# KiCad board DQBSC.kicad_pcb (continued)
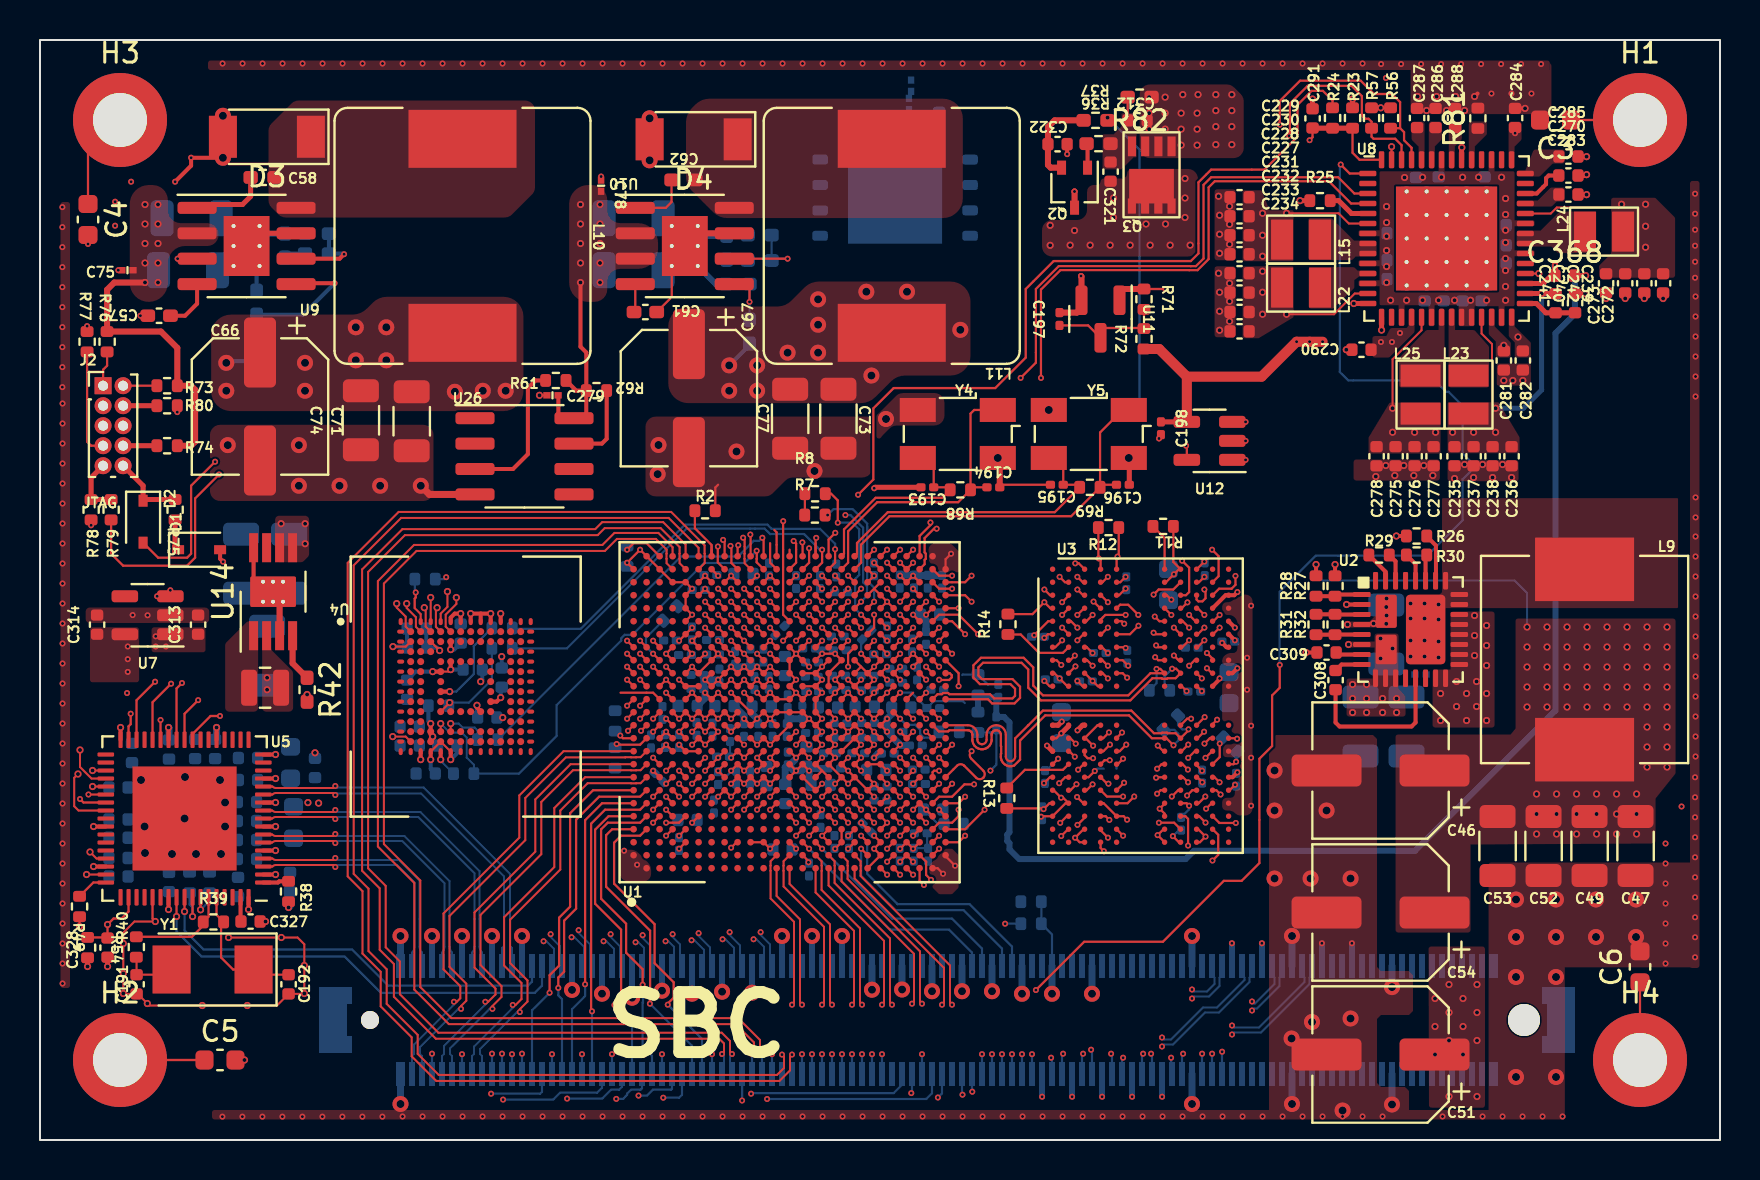
[diagram p0: board, top side]
## Routing (per net, layer and track width the routed paths; a pad name or vN(x,y) marks a point on that pad's centre or on a via; arc(x,y) is an arc through that point) (continued)
SPI1_SSO: length 24.9
  TOP w0.11: U1.D4 v2(31.3,15.21)
  S2 w0.11: v2(31.16,2.11) 31.16,2.14 28.14,5.16 26.85,5.16 23.55,8.46 23.55,11.12 27.2,14.76 30.75,14.76 31.2,15.21 v2(31.3,15.21)
  BOT w0.11: J1.B29 32.1,2.26 31.95,2.11 v2(31.16,2.11)
SPI2_MISO: length 15.8
  TOP w0.11: v2(30.13,7.76) 30.13,8.54 29.3,9.36 29.3,10.81 28.05,12.06 28.05,15.53 28.39,15.86 30,15.86 U1.B5
  BOT w0.11: v2(30.13,7.76) 30.13,7.36 30.15,7.34 30.15,6.89 30.13,6.87 30.13,4.68 30.6,4.21 J1.B26
SPI2_MOSI: length 26.5
  TOP w0.11: U1.E5 31.95,15.86 v2(31.3,15.86)
  S2 w0.11: v2(28.81,2.06) 28.81,2.11 21.95,8.96 21.95,10.91 26.45,15.41 30.65,15.41 31.1,15.86 v2(31.3,15.86)
  BOT w0.11: J1.B25 30.1,2.59 30.02,2.51 29.55,2.51 29.35,2.31 29.35,2.26 29.15,2.06 v2(28.81,2.06)
SPI2_SCLK: length 26.2
  TOP w0.11: U1.C5 v2(30.65,15.86)
  S2 w0.11: v2(26.35,2.07) 24.8,3.62 24.8,4.91 21.65,8.07 21.65,11.41 26.1,15.86 v2(30.65,15.86)
  BOT w0.11: v2(26.35,2.07) 28.11,2.07 28.55,2.51 28.95,2.51 29.1,2.66 J1.B23
SPI2_SSO: length 15.5
  TOP w0.11: v2(28.72,6.75) 29.05,7.08 29.05,10.51 27.75,11.81 27.75,15.51 28.43,16.19 U1.A5
  BOT w0.11: J1.B24 29.6,5.87 v2(28.72,6.75)
UART1_RXD: length 26.7
  TOP w0.11: U1.C7 v2(30.65,17.16)
  S2 w0.11: v2(30.65,17.16) 26.2,17.16 20.15,11.11 20.15,4.71 v2(22.55,2.31)
  BOT w0.11: J1.B15 25.1,2.41 25,2.31 v2(22.55,2.31)
UART1_TXD: length 17.5
  TOP w0.11: v2(25.48,7.36) 25.48,8.24 25.95,8.71 25.95,11.11 26.5,11.66 26.5,16.34 27.65,17.49 U1.A7
  BOT w0.11: J1.B14 24.6,6.49 v2(25.48,7.36)
UART2_RXD: length 15.7
  TOP w0.11: v2(27.6,6.43) 27.55,6.48 27.55,15.81 28.25,16.51 30,16.51 U1.B6
  BOT w0.11: v2(27.6,6.43) J1.B20
UART2_TXD: length 29.8
  TOP w0.11: U1.D6 v2(31.3,17.16)
  S2 w0.11: v2(23.15,2.02) 23.15,2.65 20.4,5.4 20.4,10.76 26.45,16.81 30.9,16.81 31.25,17.16 v2(31.3,17.16)
  BOT w0.11: v2(23.15,2.02) 25.66,2.02 26,2.36 27.85,2.36 28.1,2.61 J1.B21
UART3_RXD: length 15.7
  TOP w0.11: v2(27.25,7.78) 27.25,15.99 28.1,16.84 U1.A6
  BOT w0.11: v2(27.25,7.78) 27.25,7.2 26.6,6.54 J1.B18
UART3_TXD: length 17.3
  TOP w0.11: v2(25.91,7.6) 25.91,8.12 26.2,8.41 26.2,10.96 26.8,11.56 26.8,16.01 27.95,17.16 30,17.16 U1.B7
  BOT w0.11: v2(25.91,7.6) 25.91,7.23 26.1,7.04 J1.B17
UART4_RXD: length 36
  TOP w0.11: U1.C6 v2(30.65,16.51)
  S2 w0.11: v2(35.55,2.31) 35.52,2.34 31.57,2.34 28.3,5.61 26.8,5.61 24.75,7.66 24.75,9.93 28.99,14.17 30.91,14.17 31.66,14.91 31.66,15.34 31.8,15.48 31.8,16.44 31.43,16.81 31.18,16.81 30.89,16.51 v2(30.65,16.51)
  BOT w0.11: J1.B51 43.1,2.76 42.68,2.34 35.58,2.34 v2(35.55,2.31)
UART4_TXD: length 28.7
  TOP w0.11: U1.D7 v2(31.95,17.16)
  S2 w0.11: v2(31.95,17.16) 31.95,17.02 32.3,16.67 32.3,15.67 32.47,15.5 32.47,14.03 30.9,12.46 30.9,8.04 30.2,7.33 30.2,6.69 30.2,6.69 30.2,5.81 33.21,2.81 36.35,2.81 36.82,2.34 v2(43.56,2.34)
  BOT w0.11: v2(43.56,2.34) 43.6,2.38 J1.B52
USB1_DN: length 18.6
  TOP w0.11: U1.B14 v2(30,21.71)
  S1 w0.1: v2(32.93,10.34) 32.79,10.34 27.2,15.93 27.2,21.05 27.57,21.41 29.7,21.41 v2(30,21.71)
  BOT w0.1: v2(32.93,10.34) 32.93,10.2 33.5,9.63 33.5,9.25 33.6,9.15 J1.A32
USB1_DP: length 18.3
  TOP w0.11: U1.A14 v2(29.35,21.71)
  S1 w0.1: v2(29.35,21.71) 27.44,21.71 26.9,21.18 26.9,15.8 32.58,10.13 v2(32.58,9.99)
  BOT w0.1: v2(32.58,9.99) 32.72,9.99 33.2,9.51 33.2,9.25 33.1,9.15 J1.A31
USB1_ID1: length 2.1
  TOP w0.11: U1.C14 30.65,22.36 29.03,22.36
USB1_RX_N: length 16
  TOP w0.11: U1.B12 v2(30.05,20.46)
  S1 w0.1: v2(30.05,20.46) 29.88,20.29 29.88,19.63 28.95,18.71 28.95,17.08 33.87,12.16 34.12,12.16 35.89,10.39 v2(36.03,10.39)
  BOT w0.1: J1.A38 36.6,9.15 36.5,9.25 36.5,9.78 36.03,10.25 v2(36.03,10.39)
USB1_RX_P: length 16
  TOP w0.11: U1.A12 v2(29.4,20.46)
  S1 w0.1: v2(29.4,20.46) 29.58,20.29 29.58,19.76 28.65,18.84 28.65,16.95 33.74,11.86 33.99,11.86 35.68,10.18 v2(35.68,10.04)
  BOT w0.1: J1.A37 36.1,9.15 36.2,9.25 36.2,9.66 35.82,10.04 v2(35.68,10.04)
USB1_SS_SEL: length 0.5
  TOP w0.11: U1.K19 v2(35.2,25.61)
USB1_TX_N: length 17.6
  TOP w0.11: U1.B13 v2(30,21.06)
  S1 w0.1: v2(30,21.06) 29.7,20.76 28.32,20.76 27.85,20.3 27.85,16.88 34.34,10.39 v2(34.48,10.39)
  BOT w0.1: J1.A35 35.1,9.15 35,9.25 35,9.73 34.48,10.25 v2(34.48,10.39)
USB1_TX_P: length 17.3
  TOP w0.11: U1.A13 v2(29.35,21.06)
  S1 w0.1: v2(29.35,21.06) 28.19,21.06 27.55,20.43 27.55,16.75 34.13,10.18 v2(34.13,10.04)
  BOT w0.1: J1.A34 34.6,9.15 34.7,9.25 34.7,9.61 34.27,10.04 v2(34.13,10.04)
USB1_VBUS: length 0.5
  TOP w0.11: U1.D14 v2(31.3,22.36)
USB2_DN: length 23.8
  TOP w0.1: U1.B10 30.03,19.14 29.81,19.14 29.81,19.13 29.55,19.13 29.55,19.14 29.27,19.14 29.26,19.13 26.29,19.13 24.26,17.1 24.26,14.99 20.47,11.2 20.47,8.66 21.31,7.82 21.31,6.96 21.05,6.7 v2(21.05,6.56)
  BOT w0.1: J1.B3 19.1,4.2 19,4.3 19,4.65 20.91,6.56 v2(21.05,6.56)
USB2_DP: length 23.6
  TOP w0.1: U1.A10 26.18,19.44 23.96,17.23 23.96,15.12 20.17,11.33 20.17,8.53 21.01,7.69 21.01,7.09 20.84,6.91 v2(20.7,6.91)
  BOT w0.1: J1.B2 18.6,4.2 18.7,4.3 18.7,4.77 20.7,6.77 v2(20.7,6.91)
USB2_ID1: length 1.5
  TOP w0.11: U1.C9 v2(30.65,19.11)
  BOT w0.11: v2(23.1,4.31) J1.B11
USB2_RX_N: length 20.7
  TOP w0.1: v2(23.99,6.4) 23.99,6.54 24.37,6.92 24.37,7.98 23.5,8.85 23.5,11.01 26.01,13.52 26.01,16.47 27.38,17.84 29.55,17.84 29.55,17.83 29.81,17.83 29.81,17.84 30.03,17.84 U1.B8
  BOT w0.1: J1.B9 22.1,4.2 22,4.3 22,4.55 23.85,6.4 v2(23.99,6.4)
USB2_RX_P: length 20.4
  TOP w0.1: v2(23.64,6.75) 23.78,6.75 24.07,7.05 24.07,7.85 23.2,8.72 23.2,11.14 25.71,13.65 25.71,16.6 27.26,18.14 U1.A8
  BOT w0.1: J1.B8 21.6,4.2 21.7,4.3 21.7,4.67 23.64,6.61 v2(23.64,6.75)
USB2_TX_N: length 22.5
  TOP w0.1: U1.B9 30.03,18.49 29.81,18.49 29.81,18.48 29.55,18.48 29.55,18.49 26.65,18.49 25.06,16.9 25.06,14.29 22.02,11.25 22.02,8.75 23.07,7.7 23.07,7.15 22.62,6.7 v2(22.62,6.56)
  BOT w0.1: v2(22.62,6.56) 22.48,6.56 20.5,4.58 20.5,4.3 20.6,4.2 J1.B6
USB2_TX_P: length 22.3
  TOP w0.1: v2(22.27,6.91) 22.41,6.91 22.77,7.28 22.77,7.57 21.72,8.62 21.72,11.38 24.76,14.42 24.76,17.03 26.53,18.79 U1.A9
  BOT w0.1: v2(22.27,6.91) 22.27,6.77 20.2,4.7 20.2,4.3 20.1,4.2 J1.B5
USB2_VBUS: length 31.1
  TOP w0.11: U1.D9 v2(31.3,18.46)
  S2 w0.11: v2(23.6,4.29) 23.6,2.05 23.28,1.73 22.64,1.73 18.9,5.46 18.9,10.96 25.95,18.01 30.85,18.01 v2(31.3,18.46)
  BOT w0.11: v2(23.6,4.29) J1.B12
Net-(C3-Pad1): length 3.5
  TOP w0.11: C3.1 H1.1
Net-(C4-Pad1): length 4.9
  TOP w0.11: H3.1 2.4,49.4 C4.1
Net-(C5-Pad1): length 4.2
  TOP w0.11: C5.1 H2.1
Net-(C6-Pad1): length 3.9
  TOP w0.11: C6.1 80,7.88 H4.1
Net-(C60-Pad1): length 1.1
  BOT w0.2: C60.1 12.45,44.32 R20.1
Net-(C64-Pad1): length 1.1
  BOT w0.11: C64.1 35.35,44.01 R33.1
Net-(C191-Pad1): length 2.8
  TOP w0.1: 4.82,9.23 4.83,9.21 C191.1 6.32,8.26 Y1.2
Net-(C308-Pad2): length 8
  TOP w0.2: U2.13 68.78,20.87 68.58,20.67 64.98,20.67 64.78,20.87 C308.2
Net-(C312-Pad2): length 1.2
  TOP w0.11: R82.2 54.38,51 C312.2
Net-(D1-K): length 1.6
  TOP w0.25: D1.1 6.75,29.66 R75.1
Net-(D2-K): length 3.8
  TOP w0.25: R75.2 5.21,32.02 D2.1 5.15,32.71 J2.10
Net-(J2-Pin_1): length 1.8
  TOP w0.11: R76.2 3.35,38.71 3.15,38.51 J2.1
Net-(J2-Pin_7): length 5.4
  TOP w0.11: J2.7 2.55,34.71 2.35,34.91 R77.2
Net-(J2-Pin_9): length 2.9
  TOP w0.25: R79.2 R78.2 2.55,33.11 J2.9
Net-(L9-Pad1):
  vias: v4(68.53,26.82) v4(68.53,26.07) v4(68.53,24.97) v4(68.53,24.17) v4(69.23,26.82) v4(69.23,26.07) v4(69.23,24.97) v4(69.23,24.17) v4(69.93,26.77) v4(69.93,26.02) v4(69.93,24.92) v4(69.93,24.12)
Net-(Q2-D): length 1.2
  TOP w0.2: R36.2 52.38,49.77 Q2.1
Net-(Q2-G): length 4.6
  TOP w0.3: R37.2 50.73,50.98 50.4,50.65 C322.1 50.4,48.75 50.53,48.62 Q2.2
Net-(R29-Pad2): length 1.4
  TOP w0.2: U2.30 67.78,28.93 R29.2
Net-(R30-Pad2): length 1.5
  TOP w0.2: U2.28 68.78,28.79 R30.2
Net-(U1A-MIPI_VDD1): length 1.1
  TOP w0.11: U1.F15 U1.E15 v2(31.95,23.01)
Net-(U1B-MTEST1_/_MTEST1(ALERT_n)_/_MTEST1): length 0.5
  TOP w0.11: U1.AC13 v2(44.3,21.06)
Net-(U1B-MTEST_/_MTEST_/_MTEST): length 0.5
  TOP w0.11: U1.AB14 43.65,22.36
Net-(U1B-ZQ_/_ZQ_/_ZQ): length 3
  TOP w0.11: U1.AA13 v2(43,21.06)
  BOT w0.11: R59.2 44.65,20.11 44.19,20.11 44.01,20.29 44.01,20.51 43.75,20.76 43.31,20.76 v2(43,21.06)
Net-(U1H-JTAG_MOD): length 15.7
  TOP w0.11: U1.U7 v2(40.4,17.16)
  S1 w0.11: v2(40.4,17.16) 40.7,16.87 41.9,16.87 42,16.77 42,15.09 41.82,14.91 41.64,14.91 41.35,14.63 41.35,12.01 41.25,11.91 42.15,11.01 48.05,11.01 v2(48.25,10.81)
  BOT w0.11: R70.1 v2(48.25,10.81)
Net-(U1H-TEST_MODE): length 0.5
  TOP w0.11: U1.V7 v2(41.05,17.16)
Net-(U1K-PCIE1_RESREF): length 3.4
  TOP w0.11: R2.1 32.74,30.58 33.58,29.75 U1.G25 ; U1.G25 33.58,29.51 ; U1.G25 33.58,29.67
Net-(U1K-PCIE2_RESREF): length 2
  TOP w0.11: U1.C25 30.33,29.84 29.68,29.84 v2(29.35,29.51)
Net-(U1L-MIPI_DSI_REXT): length 2.6
  TOP w0.11: U1.C17 v2(30.65,24.31)
  BOT w0.11: v2(30.65,24.31) 30.3,24.67 30.3,25.11 R41.1
Net-(U1M-USB1_RESREF): length 0.7
  TOP w0.11: v2(29.01,20.22) 29.14,20.09 U1.A11
Net-(U1M-USB2_RESREF): length 1.6
  TOP w0.11: U1.B11 30,19.76 28.87,19.76 v2(28.83,19.8)
Net-(U2-BST): length 1.4
  TOP w0.2: U2.8 65.08,23.77 C308.1
Net-(U2-FB): length 2.3
  TOP w0.2: R28.1 R27.1 64.84,27.27 U2.1
Net-(U2-FBL): length 2.3
  TOP w0.2: R31.1 R32.1 64.76,25.27 U2.5
Net-(U2-ILIM): length 1.3
  TOP w0.2: R30.1 69.28,29.19 U2.27
Net-(U2-PGOOD): length 2.4
  TOP w0.2: R26.2 69.34,30.18 69.8,29.72 69.8,27.98 U2.26
Net-(U2-SS): length 1.3
  TOP w0.2: U2.7 64.91,24.27 C309.1
Net-(U2-TON): length 1.6
  TOP w0.2: U2.31 67.28,28.41 R29.1
Net-(U2-VDD): length 2.3
  TOP w0.2: U2.3 64.76,26.27 R32.2 R31.2
Net-(U3A-ODT_CA_A): length 3.5
  TOP w0.11: R14.1 49.03,25.28 49.95,24.36 51.15,24.36 U3.G2
Net-(U3A-ODT_CA_B): length 3.6
  TOP w0.11: R13.1 49.25,18.51 51.15,18.51 U3.T2
Net-(U3A-ZQ0): length 2.1
  TOP w0.11: R12.1 53.94,29.23 v2(53.88,29.17) 53.83,29.12 U3.A5
Net-(U3A-ZQ1): length 2.4
  TOP w0.11: R11.1 56.23,30.1 U3.A8
Net-(U4-CLK): length 2.3
  TOP w0.1: U4.M6 v4(20.53,20.82)
  BOT w0.1: R16.1 21.87,20.48 21.73,20.62 21.13,20.62 20.93,20.82 v4(20.53,20.82)
Net-(U4-NRST): length 4.8
  TOP w0.1: U4.K5 v4(20.48,21.87)
  BOT w0.11: R17.1 22.59,23.02 21.44,21.87 v4(20.48,21.87)
Net-(U4-RCLK): length 4.7
  TOP w0.2: U4.H5 v4(20.48,22.42)
  BOT w0.11: v4(20.48,22.42) 20.81,22.42 21.69,23.3 21.69,24.7 R19.2
Net-(U4-VDDI): length 2.7
  TOP w0.1: U4.C2 18.28,24.67 v4(17.65,24.67)
  BOT w0.2: C244.1 18.35,24.65 C243.1 18.33,24.67 v4(17.65,24.67)
Net-(U5-REF_FILT): length 1.2
  TOP w0.2: C327.2 10.03,10.94 U5.67
Net-(U5-REF_REXT): length 1.3
  TOP w0.2: R38.1 11.96,12.93 11.9,12.87 U5.1
Net-(U5-REFCLK_SEL_0): length 1.7
  TOP w0.11: U5.62 v4(8.03,11.51)
  BOT w0.11: v4(8.03,11.51) 8.48,11.96 R47.1
Net-(U5-REFCLK_SEL_1): length 2.2
  TOP w0.11: U5.61 v4(7.63,11.17)
  BOT w0.11: R48.1 7.48,11.77 7.63,11.62 v4(7.63,11.17)
Net-(U8B-VHALF): length 2.7
  TOP w0.25: C273.1 76.75,41.36 C272.2 75.29,41.36 74.82,41.82 U8.29
Net-(U8B-VIN3): length 2.2
  TOP w0.2: U8.40 74.83,47.32 75.3,47.79 75.3,48.09 75.43,48.22 C270.2
Net-(U8C-ICTEST): length 2.1
  TOP w0.25: U8.5 65.58,46.32 64.93,46.97 R25.2
Net-(U9-BOOT): length 3.9
  TOP w0.25: 10.53,48.13 10.53,47.18 10.13,46.78 8.02,46.78 U9.1
Net-(U9-COMP): length 4.3
  TOP w0.2: U9.6 14.98,44.07 v2(15.2,44.29)
  BOT w0.2: v2(15.2,44.29) 15.18,44.32 R20.2 C59.2
Net-(U9-SS): length 2.6
  TOP w0.2: U9.4 7.85,41.81 7.25,41.21 C57.1
Net-(U9-VSNS): length 7.6
  TOP w0.2: U9.5 12.85,42.84 v2(14.73,42.84)
  BOT w0.2: R21.2 R22.1 13.16,41.27 v2(14.73,42.84)
Net-(U10-BOOT): length 3
  TOP w0.11: 29.76,46.61 31.28,46.61 31.58,46.9 C62.2
Net-(U10-COMP): length 4.8
  TOP w0.11: v2(37.38,44.07) U10.6
  BOT w0.11: C63.1 R33.2 36.67,44.07 v2(37.38,44.07)
Net-(U10-SS): length 1.4
  TOP w0.11: 29.76,42.8 29.76,41.46 C61.1
Net-(U10-VSNS): length 3.4
  TOP w0.11: U10.5 R35.1 v2(35.48,41.91)
  BOT w0.11: R34.2 v2(35.48,41.91) R35.1
Net-(U11-VDD): length 5.9
  TOP w0.11: R71.2 R72.2 55.17,40.6 53.02,40.6 U11.3 52.41,40.73 C197.1
Net-(U14-VSET): length 2.4
  TOP w0.3: U14.4 12.63,23.84 R42.1
Net-(U26-~{HOLD}): length 4.1
  TOP w0.2: R62.2 28.33,35.06 28.09,34.82 U26.7
Net-(U26-~{WP}): length 7.3
  TOP w0.2: U26.3 23.65,33.55 24.39,34.29 24.39,37.6 24.78,37.98 R61.1
unconnected-(J1-eDP_AUX+/LVDS_I2C_CK-PadA83): length 2.7
  BOT w0.1: v2(57.6,7.08) 57.7,7.18 58.45,7.18 58.98,7.7 58.98,8.13 59.1,8.25 J1.A83
unconnected-(J1-eDP_TX3-/LVDS_A_CK--PadA82): length 2.3
  BOT w0.1: J1.A82 58.6,8.25 58.73,8.13 58.73,7.8 58.35,7.43 57.7,7.43 v2(57.6,7.53)
unconnected-(J1-GPI3-PadA85): length 6.1
  BOT w0.1: J1.A85 60.1,8.25 60.23,8.13 60.23,8 58.85,6.63 58.15,6.63 56.55,5.03 56.2,5.03 v2(56.1,5.13)
unconnected-(J1-PCIE_CLK_REF+-PadA88): length 2.5
  BOT w0.1: J1.A88 61.6,8.25 61.73,8.13 61.73,7.8 60.75,6.83 60.7,6.83 v2(60.6,6.93)
unconnected-(J1-PCIE_CLK_REF--PadA89): length 2.9
  BOT w0.1: J1.A89 62.1,8.25 61.98,8.13 61.98,7.7 60.85,6.58 60.7,6.58 v2(60.6,6.48)
unconnected-(J1-RSVD-PadA86): length 6.6
  BOT w0.1: v2(56.1,4.68) 56.2,4.78 56.65,4.78 58.25,6.38 58.95,6.38 60.48,7.9 60.48,8.13 60.6,8.25 J1.A86
unconnected-(J1-SPI_MISO_(**)-PadA92): length 5.9
  BOT w0.1: J1.A92 63.6,8.25 63.48,8.13 63.48,7.8 61.05,5.38 59.7,5.38 v2(59.6,5.28)
unconnected-(J1-SPI_POWER-PadA91): length 5.5
  BOT w0.1: J1.A91 63.1,8.25 63.23,8.13 63.23,7.9 60.95,5.63 59.7,5.63 v2(59.6,5.73)

## Copper pours and planes (outline as drawn; the poured copper is in the pictures)
3.3V_SW on TOP: 81.78,18.32 80.78,17.07 80.78,14.82 71.53,14.77 71.53,10.37 67.78,10.37 67.78,20.27 73.53,20.27 73.78,20.57 73.78,26.07 81.78,26.07
3.3V_SW on TOP: 54.98,49.1 60.19,49.1 60.19,52.14 59.55,52.78 54.98,52.78
3.3V_SW on TOP: 70.23,48.44 72.43,48.44 72.43,49.44 72.73,49.44 72.73,48.44 73.73,48.44 73.73,45.99 74.73,45.99 74.73,45.69 73.73,45.69 73.73,44.49 74.73,44.49 74.73,44.19 73.73,44.19 73.73,41.69 73.23,41.69 73.23,40.69 72.93,40.69 72.93,41.69 71.73,41.69 71.73,40.69 70.93,40.69 70.93,41.74 69.73,41.74 69.73,40.69 69.43,40.69 69.43,41.74 68.23,41.74 68.23,40.69 67.93,40.69 67.93,41.74 66.98,41.74 66.98,42.69 65.93,42.69 65.93,42.99 66.98,42.99 66.98,43.69 65.93,43.69 65.93,43.99 66.98,43.99 66.98,45.19 65.93,45.19 65.93,45.49 66.98,45.49 66.98,48.44 69.93,48.44 69.93,49.44 70.23,49.44
3.3V_SW on BOT: 73.33,47.84 68.03,47.84 68.03,48.59 73.33,48.59
3.3V_SW on BOT: 73.68,43.34 72.98,43.34 72.98,47.42 73.68,47.42
3.3V_SW on BOT: 67.68,42.29 72.98,42.29 72.98,42.84 73.53,42.84 73.53,41.44 66.83,41.44 66.83,47.64 67.68,47.64
3.3V_SW on PW1: 76.01,47 81.86,47 81.86,14.17 74.06,14.17 74.06,26.2 63.33,26.2 63.33,30.41 74.89,30.41 74.89,39.52 60.04,39.52 60.04,48.04 51,48.04 51,52.52 76.01,52.52
3.3V_SW_DELAYED on TOP: 8.28,25.64 5.58,25.64 5.58,24.39 8.28,24.39
3.3V_SW_DELAYED on TOP: 50.1,46 52.35,46 52.35,47.75 53.02,47.75 53.02,48.08 54.35,48.08 54.35,48.55 57.9,48.55 57.9,44.18 50.1,44.18
3.3V_SW_DELAYED on TOP: 8.93,44.7 8.93,45.84 6.77,45.84 6.39,46.22 6.39,47.75 4.49,47.75 4.49,41.91 6.39,41.91 6.39,44.19 6.9,44.7
3.3V_SW_DELAYED on TOP: 30.9,43.56 30.9,45.84 28.74,45.84 28.36,46.22 28.36,47.75 26.46,47.75 26.46,41.91 28.36,41.91 28.36,43.18 28.74,43.56
3.3V_SW_DELAYED on TOP: 11.75,28.89 11.75,31.21 13.45,31.21 13.45,29.21 13.13,28.89
3.3V_SW_DELAYED on BOT: 13.95,29.31 8.75,29.31 8.75,31.51 13.55,31.51 13.95,31.11
3.3V_SW_DELAYED on PW1: 20.95,21.21 34.85,21.21 34.85,17.51 35.2,17.16 41.7,17.16 41.7,15.06 40.85,14.21 37.55,14.21 36.55,13.21 26.25,13.21 20.95,18.32
3.3V_SW_DELAYED on PW1: 58.01,41.31 3.44,41.57 3.44,48.39 57.67,48.39 58.18,48
3.3V_SW_DELAYED on PW1: 6.36,47.88 6.36,36.45 17.41,25.4 22.36,25.4 23.89,23.88 23.89,20.07 23.23,19.42 4.69,19.42 4.46,19.18 4.46,9.15 3.44,8.13 1.66,8.13 1.66,47.38 2.17,47.88
/IO/VDD1A on BOT: 10.63,15.23 11.43,15.23 12.05,14.6 12.05,14.13 11.43,14.13 11.43,14.45 11.18,14.7 10.63,14.7
/IO/VDD1A on BOT: 10.6,17.6 14.25,17.6 14.25,18.55 10.6,18.55
/IO/VDD1A on BOT: 9.59,12.7 9.59,11.3 10.9,11.3 10.9,12.7
/IO/VDDMDIO on BOT: 3.73,12.8 3.73,14.44 2.15,14.44 2.15,12.8
GND on TOP: 8.5,35.76 19.68,35.76 19.68,31.95 8.5,31.95
GND on TOP: 45.23,37.35 42.95,37.35 41.77,36.17 30.27,36.17 30.27,32.18 36.48,32.18 37.43,33.13 41.32,33.13 41.98,33.78 41.98,35.08 42.63,35.73 45.23,35.73
GND on TOP: 74.54,37.72 72.84,37.72 72.84,38.82 74.54,38.82
GND on TOP: 58.73,43.69 59.78,43.69 59.78,40.14 58.73,40.14
GND on TOP: 82.92,8.63 76.24,8.63 76.24,0.98 72.43,0.98 72.43,13.87 82.92,13.87
GND on TOP: 75.57,53.84 75.57,51.29 68.53,51.29 68.53,53.84
GND on TOP: 2.28,25.85 8.46,25.85 8.46,26.62 2.28,26.62
GND on TOP: 44.43,28.94 45.03,28.34 46.03,28.34 46.03,29.34 45.53,29.84 44.63,29.84 44.43,29.64
GND on TOP: 30.55,13.71 29.75,14.51 28.95,14.51 28.95,12.91 30.55,12.91
GND on TOP: 66.85,8.45 68.65,8.45 68.65,6.25 66.85,6.25 66.85,2.65 68.45,2.65 68.45,1.1 61.45,1.1 61.45,20.25 66.85,20.25
GND on TOP: 70.38,32.94 70.38,33.99 73.93,33.99 73.93,32.94
GND on TOP: 65.68,32.97 65.68,34.02 69.99,34.02 69.99,32.97
GND on TOP: 67.83,27.12 67.83,25.72 67.73,25.62 65.18,25.62 65.18,25.92 66.48,25.92 66.83,26.27 66.83,27.12 66.93,27.22 67.73,27.22
GND on TOP: 58.73,47.54 59.78,47.54 59.78,43.99 58.73,43.99
GND on TOP: 45.6,14.56 45.28,14.56 44.3,13.59 44.3,12.94 44.95,12.29 45.6,12.29 45.93,12.61 45.93,14.24
GND on TOP: 72.73,20.62 69.63,20.62 69.63,23.52 70.53,23.52 70.53,26.42 72.73,26.42
GND on TOP, BOT, GND1, S1, PW1, S2, GND2, PW2: 1,7.6 1,46.9 1.5,46.9 1.5,7.6
GND on TOP, BOT, GND1, S1, PW1, S2, GND2, PW2: 8.4,54 75.49,54 75.49,53.5 8.4,53.5
GND on TOP, BOT, GND1, S1, PW1, S2, GND2, PW2: 83,8.6 83,47.95 82.5,47.95 82.5,8.6
GND on TOP, BOT, GND1, S1, PW1, S2, GND2, PW2: 8.6,1 8.6,1.5 75.4,1.5 75.4,1
GND on BOT: 72.45,9.96 72.45,7.76 74.45,7.76 74.45,10.71 74.4,10.76 73.25,10.76
GND on BOT: 66.35,1.51 66.35,9.71 69.35,9.71 69.35,1.51
GND on BOT: 46.35,30.31 46.35,12.31 27.75,12.31 27.55,12.51 27.55,22.71 35.15,30.31
GND on BOT: 69.09,19.96 69.6,20.47 69.6,22.65 69.13,23.11 69.13,23.43 72.32,23.43 72.64,23.11 72.64,19.3 68.58,15.24 61.21,15.24 61.21,19.15 62.03,19.96
GND on BOT: 13.75,28.31 13.75,24.91 8.95,24.91 8.95,28.31
GND on BOT: 17.28,22.33 18.35,22.33 18.35,19.25 17.28,19.25
GND on BOT: 10.25,12.97 4.03,12.97 4.08,19.42 10.25,19.42
GND on BOT: 68.22,27.53 66.14,27.53 66.14,25.55 66.24,25.45 67.92,25.45 68.22,25.76
GND on GND1, GND2: 84,0 0,0 0,55 84,55
VBAT on TOP: 76.24,48.82 75.64,48.82 74.99,48.17 73.84,48.17 73.84,48.47 74.27,48.47 74.69,49.52 76.24,49.52
VDD_1V on TOP: 2.5,25.64 2.5,22.89 4.95,22.89 4.95,25.64
VDD_1V on BOT: 10.15,21.31 13.15,21.31 13.15,18.8 10.6,18.8 10.6,19.6 2.35,19.6 2.35,22.76 10.15,22.76
VDD_1V on PW2: 2.3,24.13 2.04,23.88 2.04,20.2 3.44,18.8 12.33,18.8 13.09,19.56 13.09,24.01 12.84,24.26 4.33,24.26 4.2,24.13
VDD_1V8 on TOP: 67.48,36.87 66.43,35.12 66.43,34.32 70.03,34.32 70.03,36.87
VDD_1V8 on BOT: 70.16,33.02 66.91,29.77 63.01,29.77 60.41,27.17 60.41,17.1 60.08,16.77 49.36,16.77 49.03,17.1 49.03,30.95 48.2,31.79 26.75,31.79 26.1,31.14 26.1,17.16 17.98,17.16 16.03,19.11 16.03,32.76 20.51,37.25 70.16,37.25
VDD_ARM_0V9 on TOP: 24.17,42.16 16.93,42.16 16.04,41.27 8.55,41.27 8.55,36.45 24.17,36.45
VDD_ARM_0V9 on PW1: 7.92,40.26 14.14,40.26 15.16,41.27 21.12,41.27 36.87,25.52 36.87,21.59 26.97,21.59 12.49,36.06 8.42,36.06 7.92,36.57
VDD_DRAM_0V9 on TOP: 78.55,44.31 77.95,43.71 77.95,43.11 81.75,43.11 81.75,46.11 80.75,47.11 78.55,47.11
VDD_DRAM_0V9 on BOT: 41.15,23.31 40.35,23.31 40.35,22.51 39.95,22.11 39.95,21.11 40.15,20.91 40.15,19.91 40.55,19.91 40.95,19.51 40.95,18.31 41.55,18.31 41.55,18.71 41.96,19.12 42.3,19.12 42.3,19.52 41.56,19.52 41.55,19.51 41.35,19.71 41.35,21.01 41.04,21.32 41.04,22.03 41.13,22.11 41.15,22.11
VDD_DRAM_0V9 on PW2: 81.86,36.6 76.01,30.75 63.01,30.75 63.01,11.25 38.96,11.25 38.96,28.8 47.73,37.57 73.73,37.57 76.66,40.5 76.66,47.65 81.86,47.65 ; 1 cut-out
VDD_GPU_0V9 on TOP: 62.68,43.94 60.13,43.94 60.13,47.49 61.08,47.49 61.48,46.49 62.68,46.49
VDD_GPU_0V9 on PW2: 63.1,44.18 47.82,44.18 36.45,32.8 36.45,20.45 37.43,20.45 37.43,16.88 33.52,16.88 33.52,38.65 42.95,48.08 62.45,48.08 63.1,47.43
VDD_PHY_0V9 on TOP: 68.73,40.39 67.45,39.12 66.62,39.12 66.62,40.2 67.32,40.2 67.52,40.6 68.33,40.6 68.43,40.72 68.43,41.57 68.73,41.57
VDD_PHY_0V9 on PW2: 64.4,38.74 64.4,48.9 42.17,48.9 33.92,40.64 33.92,15.24 33.31,15.85 41.05,15.85 41.05,12.22 39.63,10.8 26.93,10.8 25.03,12.7 25.03,43.82 33.28,52.07 66.94,52.07 69.48,49.53 69.48,40.01 68.21,38.74
VDD_PHY_1V8 on TOP: 72.74,40.67 73.54,39.87 73.54,39.12 72.79,39.12 72.79,39.92 72.44,40.27 72.44,41.57 72.74,41.57
VDD_PHY_1V8 on PW2: 32.01,22.86 28.2,22.86 28.2,17.78 31.38,14.61 38.58,14.61 39.12,14.41 39.12,12.82 39,12.7 26.93,12.7 26.93,24.77 27.57,25.4 32.01,25.4
VDD_PHY_3V3 on TOP: 76.24,46.92 75.84,46.92 75.59,46.67 73.84,46.67 73.84,46.97 74.89,46.97 75.54,47.62 76.24,47.62
VDD_SNVS_0V9 on TOP: 74.08,50.02 73.73,49.67 73.73,48.57 73.43,48.57 73.43,50.92 74.08,50.92
VDD_SNVS_0V9 on PW2: 39.76,24.64 38.49,24.64 38.49,29.34 39.89,30.74 41.16,30.74 41.16,30.23 39.76,28.83
VDD_SOC_0V9 on TOP: 31.41,41.67 37.27,41.67 38.52,42.92 46.52,42.92 46.52,38.22 42.84,38.22 41.46,36.85 31.41,36.85
VDD_SOC_0V9 on PW1: 48.81,39.87 40.81,31.87 40.81,17.01 34.08,17.01 34.08,32.51 31.67,34.92 31.67,40 34.71,43.05 48.3,43.05 48.81,42.54
VDD_VPU_0V9 on TOP: 62.68,41.14 60.93,40.09 60.13,40.09 60.13,43.69 62.68,43.69
VDD_VPU_0V9 on PW2: 63.1,43.85 63.1,38 62.77,37.68 47.18,37.68 38.73,29.23 38.73,17.2 36.45,17.2 36.45,32.15 48.15,43.85
VDDA_1V8 on TOP: 73.74,40.67 74.54,39.87 74.54,39.12 73.74,39.12 73.74,39.87 73.44,40.17 73.44,41.57 73.74,41.57
VDDA_1V8 on S1: 39.38,28.9 39.38,24.68 38.73,24.68 38.73,23.05 34.82,23.05 34.82,21.43 37.43,21.43 37.43,19.48 42.63,19.48 42.63,21.43 41.98,21.43 41.98,28.9
VIN on TOP: 65.28,24.92 66.73,24.92 66.73,25.32 67.93,25.32 67.93,22.57 68.28,22.17 68.28,21.17 65.33,21.17 65.33,23.07 66.63,23.07 66.63,23.52 66.73,23.62 66.73,24.62 65.28,24.62
VIN on TOP, BOT: 72.25,1.57 69.45,1.57 69.43,9.67 72.25,9.67
VIN on BOT: 69.24,21.18 64.87,21.18 64.87,25.15 64.92,25.2 67.72,25.2 68.21,24.7 68.21,23.79 68.57,23.43 68.93,23.43 68.93,23.02 69.24,22.71
VIN on PW1, PW2: 68.08,23.67 71.63,20.32 71.63,11.97 72.53,11.07 72.53,1.37 63.93,1.37 63.93,25.32 68.08,25.32
(no net) on BOT: 72.45,3.9 72.45,1.61 75.15,1.61 76.45,2.91 76.45,3.91 72.46,3.91
/IO/ENET_2.5V_A on BOT: 11.98,16.1 12.57,15.62 13.83,15.62 13.83,12.97 10.58,12.97 10.58,17.32 11.98,17.32
DRAMREF on BOT: 44,22.66 44.56,22.1 48.02,22.1 48.02,21.29 44.16,21.29 43.5,21.95 42.94,21.95 42.63,22.26 42.63,22.51 42.78,22.66 42.9,22.66 43.29,22.66
NVCC_DRAM_1V1 on TOP: 59.55,26.89 59.23,26.89 59.11,26.76 59.11,26.38 59.23,26.25 59.62,26.25 59.87,26 59.87,24.48 59.74,24.35 59.36,24.35 59.11,24.09 59.11,23.84 59.23,23.71 59.62,23.71 59.87,23.46 59.87,23.08 59.74,22.95 59.23,22.95 59.11,22.82 59.11,20.54 59.23,20.41 59.62,20.41 59.74,20.28 59.74,19.9 59.62,19.78 59.23,19.78 59.11,19.65 59.11,19.27 59.23,19.14 59.62,19.14 59.74,19.01 59.74,17.24 59.62,17.11 59.23,17.11 59.11,16.98 59.11,16.6 59.23,16.47 59.62,16.47 59.87,16.22 60.63,16.22 60.63,27.27 59.93,27.27
NVCC_DRAM_1V1 on TOP: 72.93,36.89 73.98,35.14 73.98,34.34 70.38,34.34 70.38,36.89
NVCC_DRAM_1V1 on PW1: 73.73,38.22 73.73,31.11 62.36,31.11 62.36,11.9 41.23,11.9 41.23,30.75 48.71,38.22
NVCC_ENET_2V5 on TOP: 11.1,25.94 11.1,21.41 12.65,21.41 12.65,23.41 11.55,24.51 11.55,25.94
NVCC_ENET_2V5 on BOT: 3.79,14.82 2.35,14.82 2.35,18.07 3.79,18.07
NVCC_ENET_2V5 on BOT: 14.27,16.17 12.08,16.17 12.08,17.32 14.27,17.32
NVCC_ENET_2V5 on S1: 1.8,24.01 14.3,24.01 14.3,11.01 2.05,11.01 1.8,11.26
NVCC_SD1_1V8 on BOT: 18.58,21.1 19.78,21.1 19.78,20.43 19.88,20.43 19.88,20.2 20.3,20.2 20.3,18.75 19.83,18.75 19.83,19.38 19.25,19.38 19.25,18.83 19.15,18.83 19.15,17.98 18.58,17.98
Net-(C312-Pad2) on TOP: 53.13,50.28 53.68,50.28 54.08,50.68 54.08,51.33 54.68,51.33 54.68,50.58 54.83,50.43 54.83,49.13 54.68,49.13 54.08,48.53 53.13,48.53
Net-(D3-K) on TOP: 24.75,51.98 12.73,51.98 11.43,50.68 11.43,46.78 12.07,46.13 23.45,46.13 24.75,47.43
Net-(D4-K) on TOP: 46.14,46.1 46.14,52.07 33.06,52.07 32.3,51.3 32.3,47.75 33.95,46.1
Net-(L9-Pad1) on TOP: 81.9,26.59 70.2,26.59 70.2,23.89 68.4,23.89 68.4,27.19 69.9,27.19 70.1,27.39 70.1,32.09 81.9,32.09
Net-(U8A-SW1ALX) on TOP: 65.7,44.97 66.83,44.97 66.83,44.17 65.78,44.17 65.6,43.99 63.4,43.99 63.4,46.09 64.58,46.09
Net-(U8A-SW1CLX) on TOP: 65.88,43.47 66.83,43.47 66.83,43.17 65.95,43.17 65.72,43 65.72,42.6 64.65,41.57 63.43,41.57 63.43,43.64 65.7,43.64
Net-(U8A-SW2LX) on TOP: 70.75,40.5 71.72,40.5 72.45,39.67 72.45,37.62 70.43,37.62 70.43,41.59 70.75,41.59
Net-(U8A-SW3ALX) on TOP: 77.8,44.34 75.9,44.34 75.58,44.67 73.83,44.67 73.83,45.47 75.03,45.47 75.98,46.42 77.8,46.42
Net-(U8A-SW4LX) on TOP: 70.23,37.62 67.95,37.62 67.95,39.1 69.32,40.5 69.93,40.5 69.93,41.57 70.23,41.57
Net-(U8C-VCORE) on TOP: 71.09,50.02 70.74,49.67 70.74,48.57 70.44,48.57 70.44,50.92 71.09,50.92
Net-(U8C-VCOREDIG) on TOP: 70.09,50.02 69.74,49.67 69.74,48.57 69.44,48.57 69.44,50.92 70.09,50.92
Net-(U8C-VCOREREF) on TOP: 68.58,50.02 68.93,49.67 68.93,48.57 69.23,48.57 69.23,50.92 68.58,50.92
Net-(U8C-VDDOTP) on TOP: 72.34,50.28 71.74,49.67 71.74,48.57 71.44,48.57 71.44,50.92 72.34,50.92
Net-(U14-VOS) on TOP: 10.9,25.94 10.9,21.41 9.25,21.41 9.25,24.81 10.38,25.94

## Text on the board
User.Comments: F.Silkscreen | F.Paste | F.Mask | TOP | Dielectric | GND1 | S1 | PW1 | S2 | GND2 | PW2 | BOT | B.Mask | B.Paste | B.Silkscreen | Top Silk Screen | Top Solder Paste | Top Solder Mask | copper | prepreg | core | Bottom Solder Mask | Bottom Solder Paste | Bottom Silk Screen | Not specified | FR4 | 0 mm | 0.01 mm | 0.035 mm | 0.18 mm | 0.23 mm | FR4 natural | 1 | 3.3 | 4.5 | 0 | 0.02 | Copper Layer Count: | Board overall dimensions: | Min track/spacing: | Copper Finish: | Castellated pads: | Edge card connectors: | 8 | 84.0000 mm x 55.0000 mm | 0.0765 mm / 0.0765 mm | None | No | Board Thickness: | Min hole diameter: | Impedance Control: | Plated Board Edge: | 1.7100 mm | 0.0765 mm | Layer Name | Type | Material | Thickness (mm) | Color | Epsilon R | Loss Tangent | BOARD CHARACTERISTICS
F.Silkscreen: JTAG | SBC
